# Allegro board 1140022-KU060_PCIE_FIBER_BOARD_V001_pcb166_20240120_1835_pcb.brd
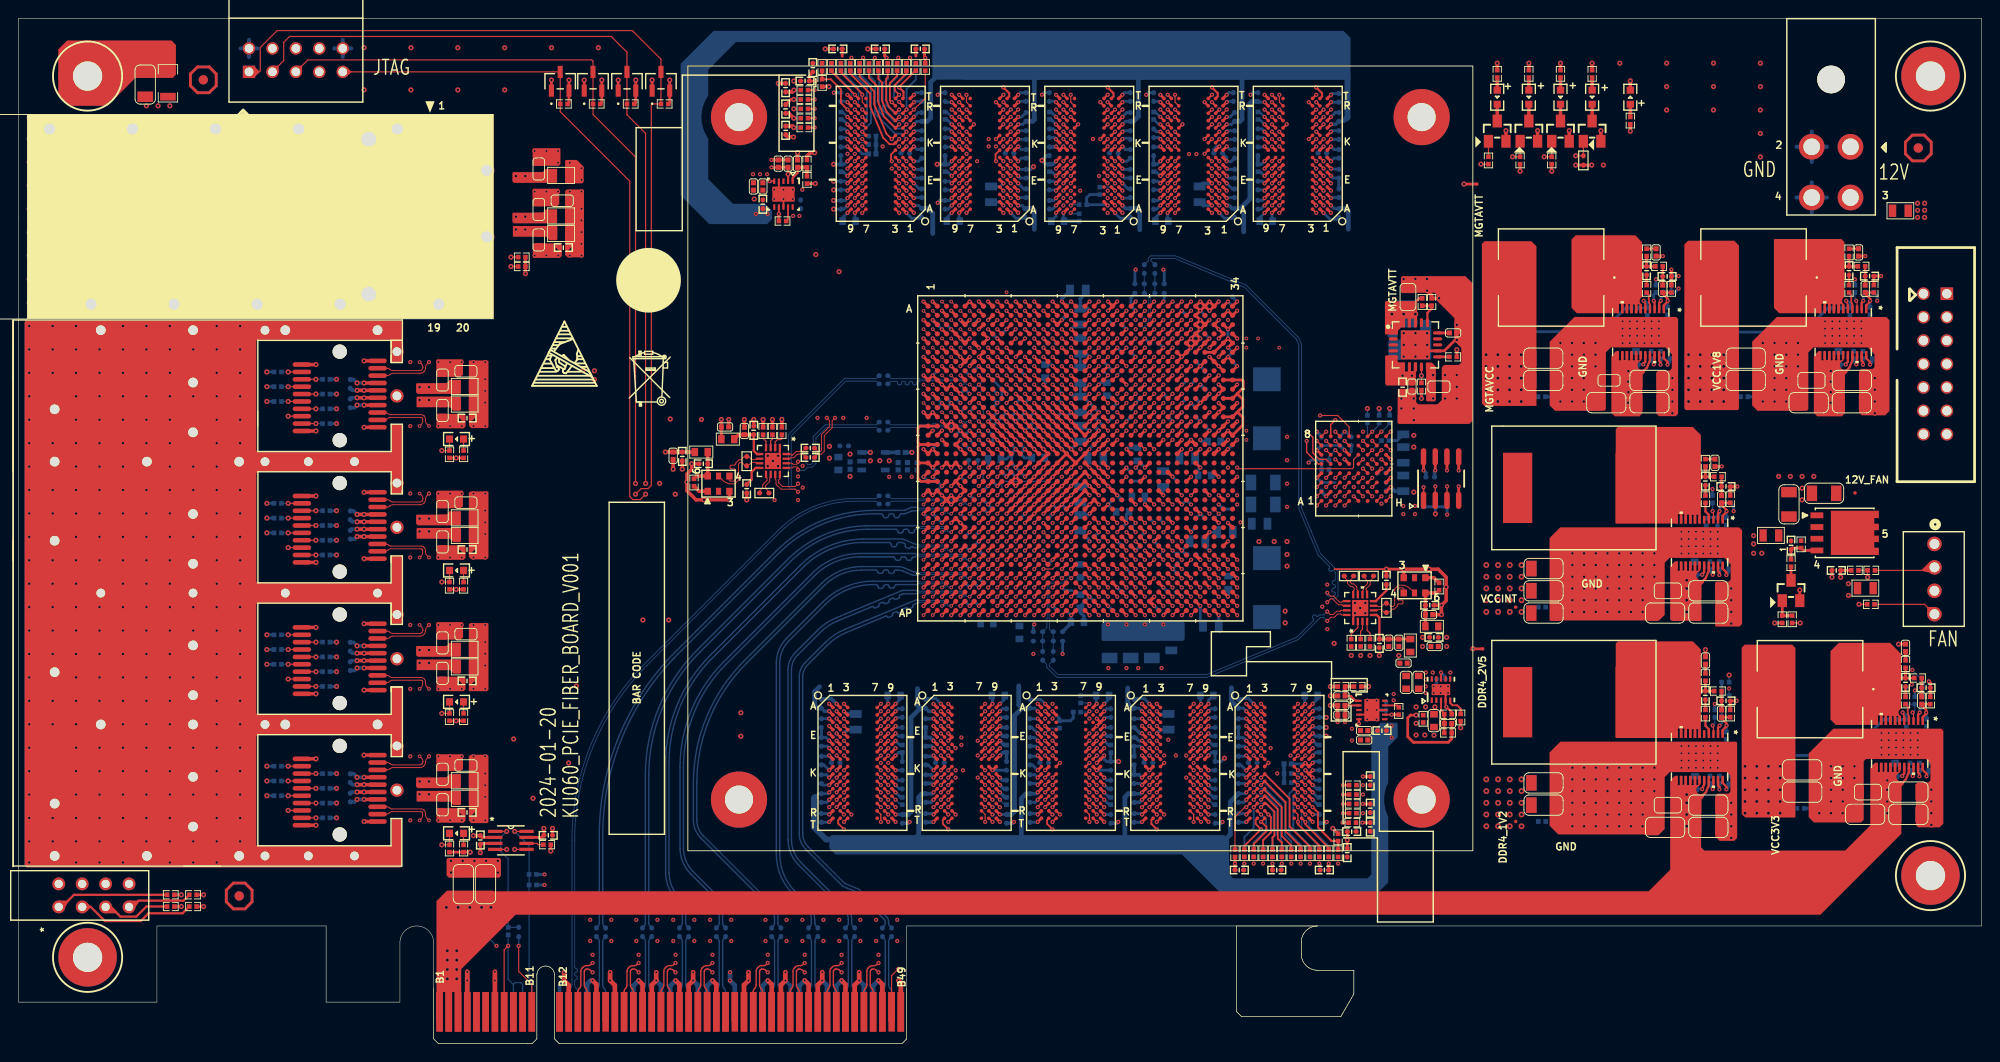
[diagram p0: board, top side]
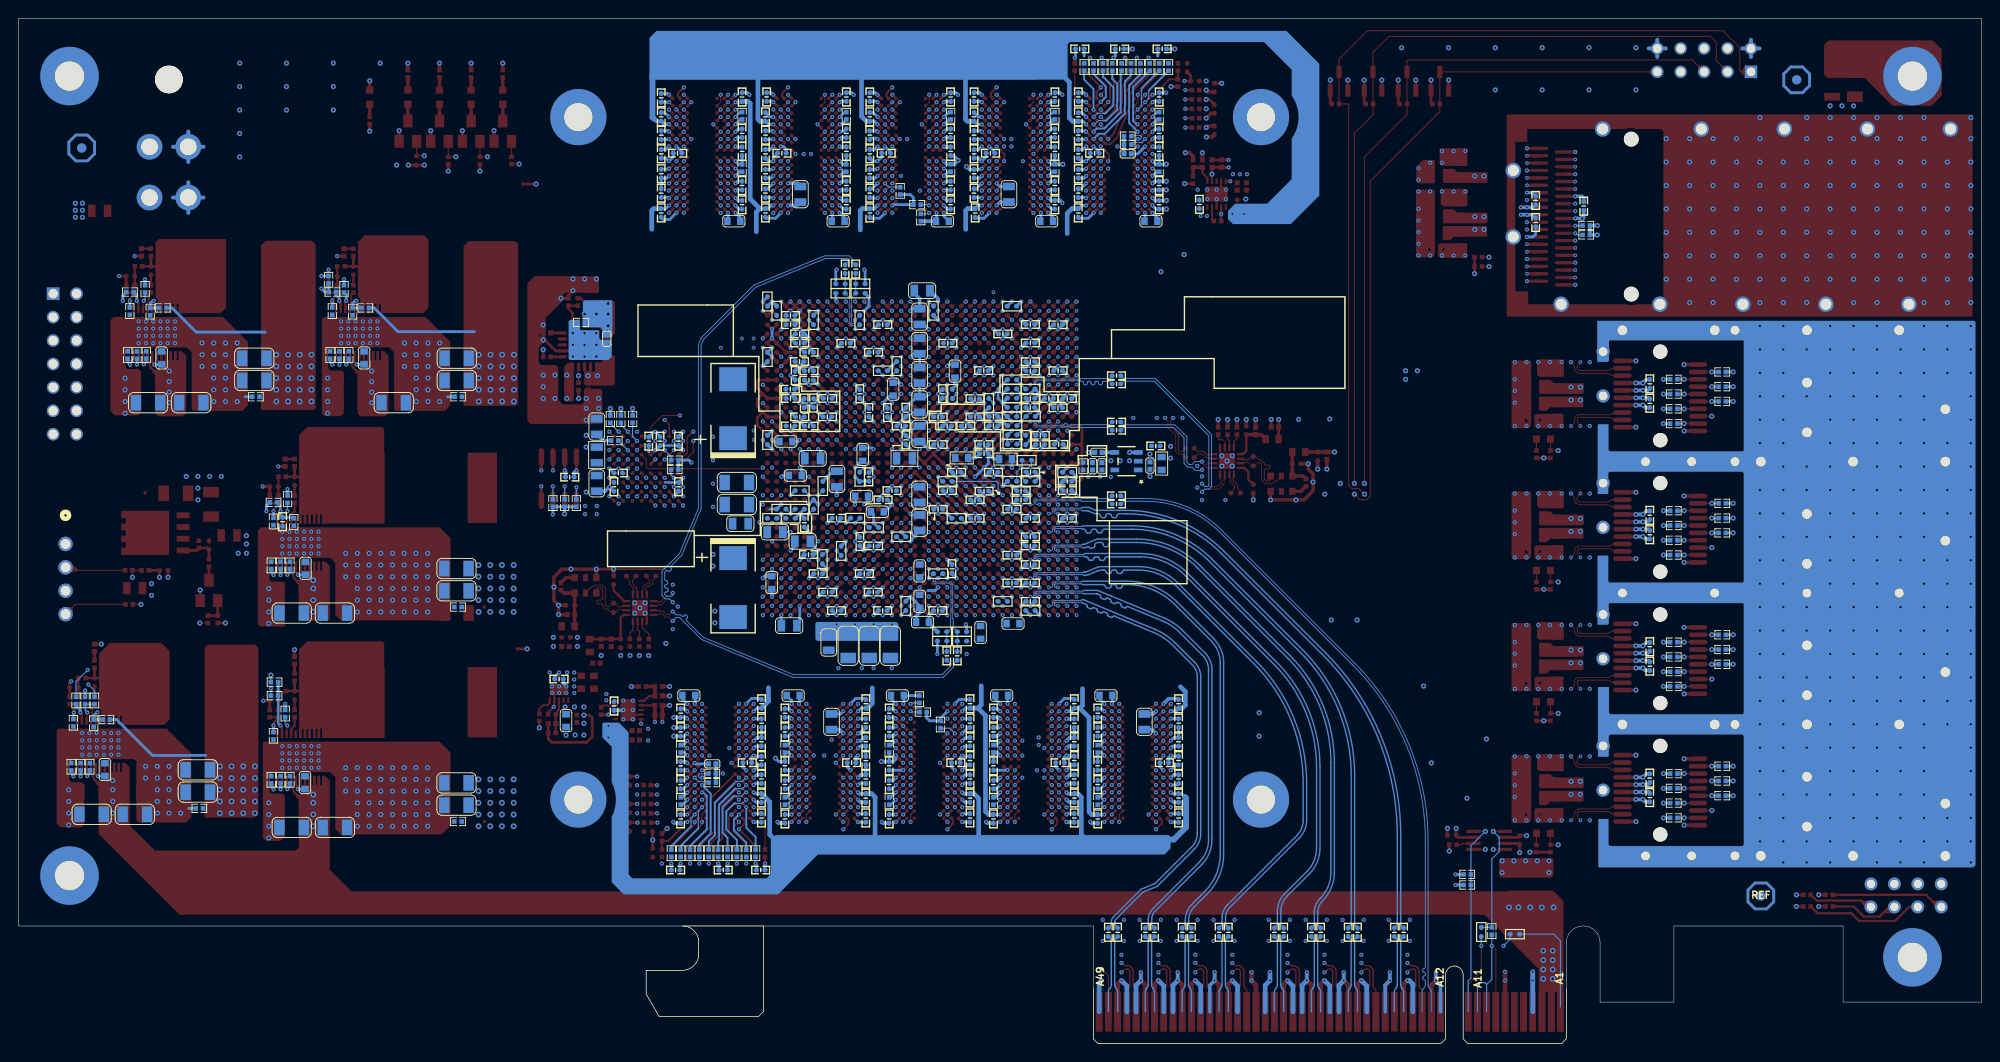
[diagram p1: board, bottom side, seen from below]

Outline 212.8 x 111.15 mm; copper layers: TOP, GND02, ART03, GND04, ART05, GND06, PWER07, PWER08, GND09, ART10, GND11, ART12, GND13, BOTTOM. Coordinates in mm from the lower left corner of the outline.
Outline path: 132.06,12.75 132.06,3.45 132.56,2.95 143.36,2.95 144.76,5.37 144.76,7.95 140.81,7.95 arc(139.57,8.46) 139.06,9.7 139.06,11 arc(139.57,12.23) 140.81,12.75 ; 132.06,12.75 140.81,12.75 arc(139.57,12.24) 139.06,11 139.06,9.7 arc(139.57,8.46) 140.81,7.95 144.76,7.95 144.76,5.38 143.36,2.95 132.56,2.95 132.06,3.45 132.06,12.75 ; 0,111.15 0,4.5 15.01,4.5 15.01,12.75 33.35,12.75 33.35,4.5 41.35,4.5 41.35,10.92 arc(43.18,12.75) 45.01,10.92 45.01,0.51 45.52,0 55.69,0 56.2,0.51 56.2,7.45 arc(57.15,8.41) 58.1,7.45 58.1,0.51 58.61,0 95.78,0 96.29,0.51 96.29,12.75 212.8,12.75 212.8,111.15 0,111.15

## Design rules (mm)
net group 36OHM: nets CHA_FPGA_DDR4_C1_ALERT CHA_FPGA_DDR4_C2_ALERT
net group CHA_AGND: nets CHA_AGND N23322804
net group CHA_BPI_FLASH_CLK: nets CHA_BPI_FLASH_CLK N238674911
net group CHA_BPI_FLASH_RST_B: nets CHA_BPI_FLASH_RST_B CHA_FPGA_INIT_B
net group CHA_BPI_FLASH_WAIT: nets CHA_BPI_FLASH_WAIT N24600214
net group CHA_FAN_FG: nets CHA_FAN_FG N26902768
net group CHA_FAN_PWM: nets CHA_FAN_PWM N26903299
net group CHA_FAN_PWREN: nets CHA_FAN_PWREN N28465657
net group CHA_FPGA_DDR4_C1_D3: nets CHA_FPGA_DDR4_C1_DQS3_N CHA_FPGA_DDR4_C1_DQS3_P
net group CHA_FPGA_DDR4_C1_D4: nets CHA_FPGA_DDR4_C1_DQS4_N CHA_FPGA_DDR4_C1_DQS4_P
net group CHA_FPGA_DDR4_C1_D8: nets CHA_FPGA_DDR4_C1_DQS8_N CHA_FPGA_DDR4_C1_DQS8_P
net group CHA_FPGA_DDR4_C2_D1: nets CHA_FPGA_DDR4_C2_DQS1_N CHA_FPGA_DDR4_C2_DQS1_P
net group CHA_FPGA_DDR4_C2_D3: nets CHA_FPGA_DDR4_C2_DQS3_N CHA_FPGA_DDR4_C2_DQS3_P
net group CHA_FPGA_DDR4_C2_D4: nets CHA_FPGA_DDR4_C2_DQS4_N CHA_FPGA_DDR4_C2_DQS4_P
net group CHA_FPGA_DDR4_C2_D6: nets CHA_FPGA_DDR4_C2_DQS6_N CHA_FPGA_DDR4_C2_DQS6_P
net group CHA_MGTAVCC_GOOD: nets CHA_MGTAVCC_GOOD CHA_MGTAVTT_EN
net group CHA_MGTAVTT_GOOD: nets CHA_MGTAVTT_GOOD N26632533
net group CHA_MGTH_227_CLK0_N: nets CHA_MGTH_227_CLK0_N N28542276
net group CHA_MGTH_227_CLK0_P: nets CHA_MGTH_227_CLK0_P N28542274
net group CHA_MGTH_228_CLK0_N: nets CHA_MGTH_228_CLK0_N N28541962
net group CHA_MGTH_228_CLK0_P: nets CHA_MGTH_228_CLK0_P N28541960
net group CHA_QSFP0_RX0_: nets CHA_QSFP0_RX0_N CHA_QSFP0_RX0_P
net group CHA_QSFP0_RX1_: nets CHA_QSFP0_RX1_N CHA_QSFP0_RX1_P
net group CHA_QSFP0_RX2_: nets CHA_QSFP0_RX2_N CHA_QSFP0_RX2_P
net group CHA_QSFP0_RX3_: nets CHA_QSFP0_RX3_N CHA_QSFP0_RX3_P
net group CHA_QSFP0_TX0_: nets CHA_QSFP0_TX0_N CHA_QSFP0_TX0_P
net group CHA_QSFP0_TX1_: nets CHA_QSFP0_TX1_N CHA_QSFP0_TX1_P
net group CHA_QSFP0_TX2_: nets CHA_QSFP0_TX2_N CHA_QSFP0_TX2_P
net group CHA_QSFP0_TX3_: nets CHA_QSFP0_TX3_N CHA_QSFP0_TX3_P
net group CHA_SFP+_0_RXD_: nets CHA_SFP+_0_RXD_N CHA_SFP+_0_RXD_P
net group CHA_SFP+_0_TXD_: nets CHA_SFP+_0_TXD_N CHA_SFP+_0_TXD_P
net group CHA_SFP+_1_RXD_: nets CHA_SFP+_1_RXD_N CHA_SFP+_1_RXD_P
net group CHA_SFP+_1_TXD_: nets CHA_SFP+_1_TXD_N CHA_SFP+_1_TXD_P
net group CHA_SFP+_2_RXD_: nets CHA_SFP+_2_RXD_N CHA_SFP+_2_RXD_P
net group CHA_SFP+_2_TXD_: nets CHA_SFP+_2_TXD_N CHA_SFP+_2_TXD_P
net group CHA_SFP+_3_RXD_: nets CHA_SFP+_3_RXD_N CHA_SFP+_3_RXD_P
net group CHA_SFP+_3_TXD_: nets CHA_SFP+_3_TXD_N CHA_SFP+_3_TXD_P
net group DDR4_200M_: nets DDR4_200M_N DDR4_200M_P
net group DIFFPAIR0: nets CHA_DDR4_CLK2_N_200M CHA_DDR4_CLK2_P_200M
net group DIFFPAIR1: nets CHA_FPGA_MASTER_CLOCK_N CHA_FPGA_MASTER_CLOCK_P
net group DIFFPAIR12: nets CHA_DDR4_CLK1_N_200M CHA_DDR4_CLK1_P_200M
net group DIFFPAIR16: nets N28686755 N28686768
net group DIFFPAIR17: nets N28686714 N28686727
net group DIFFPAIR18: nets N28686665 N28686668
net group DIFFPAIR19: nets 156_25M_N 156_25M_P
net group DP_N2454154: nets N24541544 N24541546
net group DP_N2454157: nets N24541572 N24541574
net group DP_N24657408: nets N24657408 N24657423
net group N24127214: nets N24127214 N24127447
net group N27389672: nets N27389672 N27389809
net group N28465581: nets N28465571 N28465581
net group PCIE_PRSNT_N: nets PCIE_PRSNT_N PCIE_WIDTH_X8
net group PCIE_REFCLK_N: nets N24547053 PCIE_REFCLK_N
net group PCIE_REFCLK_P: nets N24547051 PCIE_REFCLK_P
net group PCIE_RXD_0_: nets PCIE_RXD_0_N PCIE_RXD_0_P
net group PCIE_RXD_1_: nets PCIE_RXD_1_N PCIE_RXD_1_P
net group PCIE_RXD_2_: nets PCIE_RXD_2_N PCIE_RXD_2_P
net group PCIE_RXD_3_: nets PCIE_RXD_3_N PCIE_RXD_3_P
net group PCIE_RXD_4_: nets PCIE_RXD_4_N PCIE_RXD_4_P
net group PCIE_RXD_5_: nets PCIE_RXD_5_N PCIE_RXD_5_P
net group PCIE_RXD_6_: nets PCIE_RXD_6_N PCIE_RXD_6_P
net group PCIE_RXD_7_: nets PCIE_RXD_7_N PCIE_RXD_7_P
net group PCIE_TXD_0_N: nets N28472950 PCIE_TXD_0_N
net group PCIE_TXD_0_P: nets N28472948 PCIE_TXD_0_P
net group PCIE_TXD_1_N: nets N28472958 PCIE_TXD_1_N
net group PCIE_TXD_1_P: nets N28472956 PCIE_TXD_1_P
net group PCIE_TXD_2_N: nets N28472966 PCIE_TXD_2_N
net group PCIE_TXD_2_P: nets N28472964 PCIE_TXD_2_P
net group PCIE_TXD_3_N: nets N28472974 PCIE_TXD_3_N
net group PCIE_TXD_3_P: nets N28472972 PCIE_TXD_3_P
net group PCIE_TXD_4_N: nets N28472982 PCIE_TXD_4_N
net group PCIE_TXD_4_P: nets N28472980 PCIE_TXD_4_P
net group PCIE_TXD_5_N: nets N28472990 PCIE_TXD_5_N
net group PCIE_TXD_5_P: nets N28472988 PCIE_TXD_5_P
net group PCIE_TXD_6_N: nets N28472998 PCIE_TXD_6_N
net group PCIE_TXD_6_P: nets N28472996 PCIE_TXD_6_P
net group PCIE_TXD_7_N: nets N28473006 PCIE_TXD_7_N
net group PCIE_TXD_7_P: nets N28473004 PCIE_TXD_7_P
net group PCIE_WAKE_N: nets N28475155 PCIE_WAKE_N
net group VCC_1V8_EN: nets CHA_VCCINT_GOOD VCC_1V8_EN
net group CHA_FPGA_DDR4_C1_D0: nets CHA_FPGA_DDR4_C1_DQS0_N
net group CHA_FPGA_DDR4_C1_D2: nets CHA_FPGA_DDR4_C1_DQS2_N
net group CHA_MGTAVCC_EN: nets CHA_MGTAVCC_EN DDR4_1V2_EN DDR4_1V2_GOOD FPGA_VCCO_GOOD VCC_1V8_GOOD VCC_3V3_EN VCC_3V3_GOOD
net group CLK: nets CHA_FPGA_DDR4_C1_RESET CHA_FPGA_DDR4_C2_RESET CHA_FPGA_TCK CHA_QSFP0_I2C_SCL CHA_QSFP0_I2C_SDA CHA_QSFP0_RESETL CHA_SFP+_0_SCL CHA_SFP+_0_SDA CHA_SFP+_1_SCL CHA_SFP+_1_SDA CHA_SFP+_2_SCL CHA_SFP+_2_SDA CHA_SFP+_3_SCL CHA_SFP+_3_SDA CHA_TEMP_SCL CHA_TEMP_SDA PCIE_RST_N PCIE_RST_N_LS
net group N27394308: nets N27394308 N27394426 N244440853
net group N28499917: nets N28499917 N28500031 N285016953
net group N28500189: nets N28500189 N28500295 N285042511
net group POWER: nets CHA_ROVP VREG6 VREG_4

## Placement (name value [footprint] x y rotation side)
C1  0.47UF  [C0402_BGA]  108.14 64.95 180 bottom
C2  0.1UF  [C0402_BGA]  120.61 61.45 270 bottom
C3  0.1UF  [C0402_BGA]  108.14 63.95 180 bottom
C4  47uF  [C0805]  124.08 61.21 90 bottom
C5  22uF  [C0603]  119.7 57.66 0 bottom
C7  0.1UF  [C0402_BGA]  125.08 69.95 0 bottom
C8  22uF  [C0603]  108.51 44.58 270 bottom
C9  22uF  [C0603]  104.99 45.54 180 bottom
C10  4.7UF  [C0402_BGA]  105.11 49.94 180 bottom
C11  0.47UF  [C0402_BGA]  105.11 52.95 180 bottom
C12  47uF  [C0805]  130.8 55.46 0 bottom
C13  22uF  [C0603]  121.4 59.33 0 bottom
C14  4.7UF  [C0402_BGA]  120.61 68.42 270 bottom
C15  0.47UF  [C0402_BGA]  118.61 68.42 90 bottom
C18  0.1UF  [C0402_BGA]  147.77 61.86 0 bottom
C19  0.1UF  [C0402_BGA]  148.25 60.37 270 bottom
C20  0.1UF  [C0402_BGA]  143.25 65.31 90 bottom
C21  0.1UF  [C0402_BGA]  144.48 65.31 90 bottom
C22  0.1UF  [C0402_BGA]  141.25 65.31 90 bottom
C23  0.1UF  [C0402_BGA]  141.25 60.37 270 bottom
C24  22uF  [C0603]  128.59 61.59 180 bottom
C25  22uF  [C0603]  129.61 65.28 0 bottom
C26  0.47UF  [C0402_BGA]  121.6 70.45 90 bottom
C27  4.7UF  [C0402_BGA]  127.61 56.48 270 bottom
C28  47uF  [C0805]  126.71 63.45 0 bottom
C29  22uF  [C0603]  121.28 63.88 90 bottom
C30  4.7UF  [C0402_BGA]  124.13 56.97 180 bottom
C31  0.47UF  [C0402_BGA]  125.11 67.95 0 bottom
C32  22uF  [C0603]  117.98 70.95 270 bottom
C33  4.7UF  [C0402_BGA]  112.64 70.46 270 bottom
C34  4.7UF  [C0402_BGA]  119.11 77.95 0 bottom
C35  22uF  [C0603]  111.28 72.91 270 bottom
C36  4.7UF  [C0402_BGA]  113.14 46.95 180 bottom
C37  4.7UF  [C0402_BGA]  112.05 75.94 0 bottom
C38  47uF  [C0805]  115.11 78.82 90 bottom
C39  47uF  [C0805]  115.11 72.47 270 bottom
C40  0.47UF  [C0402_BGA]  121.59 54.44 270 bottom
C41  0.47UF  [C0402_BGA]  125.08 48.95 0 bottom
C42  22uF  [C0603]  114.8 45.69 0 bottom
C43  4.7UF  [C0402_BGA]  124.11 46.95 180 bottom
C44  4.7UF  [C0402_BGA]  126.11 50.95 180 bottom
C45  47uF  [C0805]  115.11 75.64 90 bottom
C46  0.47UF  [C0402_BGA]  120.11 53.95 0 bottom
C47  4.7UF  [C0402_BGA]  108.17 72.97 180 bottom
C48  0.47UF  [C0402_BGA]  120.14 48.95 180 bottom
C49  22uF  [C0603]  115.11 51.25 90 bottom
C50  47uF  [C0805]  127.8 54.46 0 bottom
C51  4.7UF  [C0402_BGA]  111.61 51.48 270 bottom
C52  0.47UF  [C0402_BGA]  119.11 46.95 0 bottom
C53  47uF  [C0805]  114.85 81.64 0 bottom
C54  22uF  [C0603]  131.15 49.98 90 bottom
C55  4.7UF  [C0402_BGA]  123.11 75.93 0 bottom
C56  4.7UF  [C0402_BGA]  120.11 74.95 0 bottom
C57  22uF  [C0603]  115.11 47.96 270 bottom
C58  4.7UF  [C0402_BGA]  106.09 76.94 180 bottom
C59  4.7UF  [C0402_BGA]  127.15 53.03 0 bottom
C60  0.47UF  [C0402_BGA]  121.11 50.95 0 bottom
C61  47uF  [C0805]  129.26 45.31 0 bottom
C70  0.1UF  [C0402_BGA]  93.77 59.39 180 bottom
C72  0.1UF  [C0402_BGA]  93.77 58.5 180 bottom
C78  0.1UF  [C0402_BGA]  93.77 66.5 180 bottom
C79  0.1UF  [C0402_BGA]  93.77 67.39 180 bottom
C80  0.1UF  [C0402_BGA]  93.77 72.42 180 bottom
C81  0.1UF  [C0402_BGA]  93.77 71.53 180 bottom
C92  470uF  [CT7343]  135.33 68.83 90 bottom
C93  470uF  [CT7343]  135.33 49.44 270 bottom
C94  100UF  [C1206]  120.57 43.13 270 bottom
C95  100UF  [C1206]  134.92 60.83 180 bottom
C96  100UF  [C1206]  122.86 43.13 270 bottom
C97  100UF  [C1206]  118.28 43.13 270 bottom
C98  100UF  [C1206]  134.92 58.45 180 bottom
C99  47uF  [C0805]  115.11 56.47 90 bottom
C100  47uF  [C0805]  124.97 43.48 270 bottom
C101  47uF  [C0805]  134.54 56.36 180 bottom
C102  47uF  [C0805]  115.11 66.12 270 bottom
C103  4.7UF  [C0402_BGA]  109.11 56.95 0 bottom
C104  4.7UF  [C0402_BGA]  113.11 64.95 0 bottom
C105  4.7UF  [C0402_BGA]  108.12 59.9 0 bottom
C106  4.7UF  [C0402_BGA]  113.11 67.95 0 bottom
C107  4.7UF  [C0402_BGA]  112.14 66.95 180 bottom
C108  4.7UF  [C0402_BGA]  107.11 67.99 0 bottom
C109  4.7UF  [C0402_BGA]  107.11 61.95 0 bottom
C110  4.7UF  [C0402_BGA]  113.11 57.93 0 bottom
C111  0.47UF  [C0402_BGA]  109.11 58.95 0 bottom
C112  0.47UF  [C0402_BGA]  116.61 65.45 90 bottom
C113  0.47UF  [C0402_BGA]  107.11 66.98 0 bottom
C114  0.47UF  [C0402_BGA]  109.11 67.95 0 bottom
C115  0.47UF  [C0402_BGA]  109.11 69.93 0 bottom
C116  0.47UF  [C0402_BGA]  110.11 66.96 0 bottom
C117  0.47UF  [C0402_BGA]  112.11 59.95 0 bottom
C118  0.47UF  [C0402_BGA]  111.11 61.95 180 bottom
C119  47uF  [C0805]  115.11 69.29 90 bottom
C120  47uF  [C0805]  115.11 59.51 90 bottom
C121  4.7UF  [C0402_BGA]  117.11 66.95 180 bottom
C122  4.7UF  [C0402_BGA]  116.61 68.45 90 bottom
C123  4.7UF  [C0402_BGA]  105.11 57.95 0 bottom
C124  4.7UF  [C0402_BGA]  118.11 59.95 0 bottom
C125  4.7UF  [C0402_BGA]  129.11 77.95 180 bottom
C126  4.7UF  [C0402_BGA]  129.11 66.97 180 bottom
C127  4.7UF  [C0402_BGA]  129.14 70.95 180 bottom
C128  4.7UF  [C0402_BGA]  128.14 73.95 180 bottom
C129  4.7UF  [C0402_BGA]  100.11 68.94 0 bottom
C130  4.7UF  [C0402_BGA]  100.11 77.94 0 bottom
C131  4.7UF  [C0402_BGA]  100.11 72.96 180 bottom
C132  0.22UF  [C0402_BGA]  129.11 78.95 0 bottom
C133  0.22UF  [C0402_BGA]  100.03 64.97 0 bottom
C134  0.22UF  [C0402_BGA]  129.11 69.95 0 bottom
C135  0.22UF  [C0402_BGA]  99.11 60.96 0 bottom
C136  0.22UF  [C0402_BGA]  99.11 59.96 0 bottom
C137  0.22UF  [C0402_BGA]  99.11 69.94 0 bottom
C138  0.22UF  [C0402_BGA]  99.11 56.96 0 bottom
C139  4.7UF  [C0402_BGA]  127.62 69.45 90 bottom
C140  4.7UF  [C0402_BGA]  127.11 71.92 180 bottom
C141  4.7UF  [C0402_BGA]  126.62 69.45 90 bottom
C142  4.7UF  [C0402_BGA]  104.11 59.95 0 bottom
C143  4.7UF  [C0402_BGA]  101.11 69.94 180 bottom
C144  4.7UF  [C0402_BGA]  104.11 58.95 0 bottom
C145  4.7UF  [C0402_BGA]  102.03 65.95 180 bottom
C146  4.7UF  [C0402_BGA]  127.11 74.95 180 bottom
C147  4.7UF  [C0402_BGA]  128.11 75.95 180 bottom
C148  4.7UF  [C0402_BGA]  127.11 72.95 0 bottom
C149  4.7UF  [C0402_BGA]  103.11 47.94 0 bottom
C150  4.7UF  [C0402_BGA]  128.61 72.42 90 bottom
C151  4.7UF  [C0402_BGA]  103.11 72.94 0 bottom
C152  4.7UF  [C0402_BGA]  103.11 49.94 0 bottom
C153  0.47UF  [C0402_BGA]  103.11 56.95 180 bottom
C154  0.47UF  [C0402_BGA]  103.11 54.95 0 bottom
C155  0.47UF  [C0402_BGA]  127.11 66.95 0 bottom
C156  0.47UF  [C0402_BGA]  103.11 75.96 180 bottom
C157  0.47UF  [C0402_BGA]  102.03 64.95 180 bottom
C158  0.47UF  [C0402_BGA]  128.11 67.95 180 bottom
C159  0.47UF  [C0402_BGA]  103.11 53.95 0 bottom
C160  0.22UF  [C0402_BGA]  103.11 51.94 180 bottom
C161  0.22UF  [C0402_BGA]  103.11 77.97 0 bottom
C162  0.22UF  [C0402_BGA]  128.11 76.95 0 bottom
C163  0.22UF  [C0402_BGA]  103.11 73.94 0 bottom
C164  0.22UF  [C0402_BGA]  103.11 69.97 0 bottom
C165  0.22UF  [C0402_BGA]  103.11 68.97 0 bottom
C166  0.22UF  [C0402_BGA]  103.08 61.98 0 bottom
C167  4.7UF  [C0402_BGA]  118.41 24.36 270 bottom
C168  0.1UF  [C0402_BGA]  132.25 36.84 90 bottom
C169  47uF  [C0805]  124.66 34.89 270 bottom
C170  22uF  [C0603]  94.92 37.73 180 bottom
C171  4.7UF  [C0402_BGA]  87.04 34.75 270 bottom
C172  4.7UF  [C0402_BGA]  95.8 30.11 90 bottom
C173  0.47UF  [C0402_BGA]  95.8 28.08 90 bottom
C174  0.47UF  [C0402_BGA]  95.81 33.8 270 bottom
C175  0.47UF  [C0402_BGA]  87.04 28.68 90 bottom
C176  0.47UF  [C0402_BGA]  87.04 24.47 270 bottom
C177  68nF  [C0402_BGA]  87.04 32.71 90 bottom
C178  68nF  [C0402_BGA]  95.81 35.83 270 bottom
C179  68nF  [C0402_BGA]  88.58 30.45 180 bottom
C180  68nF  [C0402_BGA]  87.04 30.68 90 bottom
C181  0.1UF  [C0402_BGA]  120.95 26.62 270 bottom
C182  22uF  [C0603]  106.22 37.73 180 bottom
C183  4.7UF  [C0402_BGA]  107.11 33.8 270 bottom
C184  4.7UF  [C0402_BGA]  107.11 28.08 90 bottom
C185  0.47UF  [C0402_BGA]  107.11 30.11 90 bottom
C186  0.47UF  [C0402_BGA]  99.89 30.45 180 bottom
C187  0.47UF  [C0402_BGA]  107.11 35.83 270 bottom
C188  0.47UF  [C0402_BGA]  98.34 30.68 90 bottom
C189  68nF  [C0402_BGA]  98.34 34.75 270 bottom
C190  68nF  [C0402_BGA]  98.34 32.71 90 bottom
C191  68nF  [C0402_BGA]  98.34 28.68 90 bottom
C192  68nF  [C0402_BGA]  98.35 24.47 270 bottom
C193  4.7UF  [C0402_BGA]  111.75 102.63 90 bottom
C194  0.1UF  [C0402_BGA]  107.11 24.36 270 bottom
C195  0.1UF  [C0402_BGA]  109.65 26.62 270 bottom
C196  22uF  [C0603]  128.82 37.73 180 bottom
C197  4.7UF  [C0402_BGA]  129.72 33.8 270 bottom
C198  4.7UF  [C0402_BGA]  120.95 32.71 90 bottom
C199  0.47UF  [C0402_BGA]  120.95 30.68 270 bottom
C200  0.47UF  [C0402_BGA]  120.95 24.47 270 bottom
C201  0.47UF  [C0402_BGA]  120.95 28.68 90 bottom
C202  0.47UF  [C0402_BGA]  120.95 34.75 270 bottom
C203  68nF  [C0402_BGA]  129.71 30.11 90 bottom
C204  68nF  [C0402_BGA]  129.71 28.08 90 bottom
C205  68nF  [C0402_BGA]  129.72 35.83 270 bottom
C206  68nF  [C0402_BGA]  122.49 30.45 180 bottom
C207  4.7UF  [C0402_BGA]  95.81 24.36 270 bottom
C208  0.1UF  [C0402_BGA]  131.82 90.06 270 bottom
C209  4.7UF  [C0402_BGA]  89.15 102.63 90 bottom
C210  0.1UF  [C0402_BGA]  120.52 90.06 270 bottom
C211  0.1UF  [C0402_BGA]  147.81 33.93 180 top
C212  0.1UF  [C0402_BGA]  132.26 26.62 270 bottom
C213  47uF  [C0805]  90.75 34.89 270 bottom
C214  22uF  [C0603]  140.13 37.73 180 bottom
C215  4.7UF  [C0402_BGA]  132.25 32.71 90 bottom
C216  4.7UF  [C0402_BGA]  141.02 35.83 270 bottom
C217  0.47UF  [C0402_BGA]  132.25 30.68 90 bottom
C218  0.47UF  [C0402_BGA]  132.25 34.75 270 bottom
C219  0.47UF  [C0402_BGA]  141.02 33.8 270 bottom
C220  0.47UF  [C0402_BGA]  132.25 28.68 90 bottom
C221  68nF  [C0402_BGA]  132.26 24.47 270 bottom
C222  68nF  [C0402_BGA]  141.02 28.08 90 bottom
C223  68nF  [C0402_BGA]  141.02 30.11 270 bottom
C224  68nF  [C0402_BGA]  133.79 30.45 180 bottom
C225  22uF  [C0603]  117.52 37.73 180 bottom
C226  4.7UF  [C0402_BGA]  109.64 28.68 90 bottom
C227  4.7UF  [C0402_BGA]  118.41 28.08 90 bottom
C228  0.47UF  [C0402_BGA]  118.41 30.11 90 bottom
C229  0.47UF  [C0402_BGA]  109.65 24.47 270 bottom
C230  0.47UF  [C0402_BGA]  109.64 34.75 270 bottom
C231  0.47UF  [C0402_BGA]  109.64 32.71 90 bottom
C232  68nF  [C0402_BGA]  109.64 30.68 90 bottom
C233  68nF  [C0402_BGA]  111.19 30.45 180 bottom
C234  68nF  [C0402_BGA]  118.41 33.8 270 bottom
C235  68nF  [C0402_BGA]  118.41 35.83 270 bottom
C236  4.7UF  [C0402_BGA]  144.53 22.99 180 top
C237  4.7UF  [C0402_BGA]  136.41 18.81 180 top
C238  4.7UF  [C0402_BGA]  132.34 18.81 180 bottom
C239  4.7UF  [C0402_BGA]  144.04 20.7 90 top
C240  0.1UF  [C0402_BGA]  146.53 28.49 90 top
C241  4.7UF  [C0402_BGA]  84.79 91 270 bottom
C242  0.1UF  [C0402_BGA]  146.53 23.48 90 top
C243  1000PF  [C0402]  143.4 37.7 0 top
C244  0.1UF  [C0402_BGA]  146.53 25.52 90 top
C245  0.1UF  [C0402_BGA]  141.56 18.81 0 bottom
C246  0.1UF  [C0402_BGA]  141.56 18.81 0 top
C247  0.1UF  [C0402_BGA]  132.34 18.81 180 top
C248  0.1UF  [C0402_BGA]  136.41 18.81 180 bottom
C249  10uF  [C0402]  145.88 33.93 0 top
C250  10uF  [C0402]  145.88 32.92 0 top
C251  10uF  [C0402]  82.37 95.41 90 top
C252  10uF  [C0402]  83.43 95.41 90 top
C253  4.7UF  [C0402_BGA]  100.45 102.63 90 bottom
C254  0.1UF  [C0402_BGA]  87.04 36.84 90 bottom
C255  0.1UF  [C0402_BGA]  98.35 26.62 270 bottom
C256  0.1UF  [C0402_BGA]  87.04 26.62 270 bottom
C257  10nF  [C0402]  137.59 30.33 0 bottom
C258  4.7UF  [C0402_BGA]  98.34 36.84 90 bottom
C259  0.1UF  [C0402_BGA]  120.95 36.84 90 bottom
C260  47uF  [C0805]  128.04 92.09 90 bottom
C261  22uF  [C0603]  123.95 89.17 0 bottom
C262  4.7UF  [C0402_BGA]  131.82 98.51 270 bottom
C263  4.7UF  [C0402_BGA]  130.04 96.54 0 bottom
C264  0.47UF  [C0402_BGA]  123.06 93.03 90 bottom
C265  0.47UF  [C0402_BGA]  131.82 96.47 270 bottom
C266  0.47UF  [C0402_BGA]  131.69 102.63 90 bottom
C267  0.47UF  [C0402_BGA]  123.06 98.7 270 bottom
C268  68nF  [C0402_BGA]  131.82 92.2 90 bottom
C269  68nF  [C0402_BGA]  123.06 90.95 90 bottom
C270  68nF  [C0402_BGA]  131.82 94.32 270 bottom
C271  68nF  [C0402_BGA]  123.06 96.74 270 bottom
C272  0.1UF  [C0402_BGA]  109.21 100.47 90 bottom
C273  22uF  [C0603]  135.25 89.17 0 bottom
C274  4.7UF  [C0402_BGA]  134.36 90.95 90 bottom
C275  4.7UF  [C0402_BGA]  134.36 93.03 90 bottom
C276  0.47UF  [C0402_BGA]  143.13 92.2 90 bottom
C277  0.47UF  [C0402_BGA]  143.13 98.51 270 bottom
C278  0.47UF  [C0402_BGA]  143.13 96.47 270 bottom
C279  0.47UF  [C0402_BGA]  141.34 96.54 0 bottom
C280  68nF  [C0402_BGA]  143.13 94.32 270 bottom
C281  68nF  [C0402_BGA]  134.36 98.7 270 bottom
C282  68nF  [C0402_BGA]  134.36 96.74 270 bottom
C283  68nF  [C0402_BGA]  143.12 102.54 90 bottom
C284  4.7UF  [C0402_BGA]  123.06 102.63 90 bottom
C285  0.1UF  [C0402_BGA]  97.91 90.06 270 bottom
C286  0.1UF  [C0402_BGA]  97.91 100.47 90 bottom
C287  22uF  [C0603]  90.04 89.17 0 bottom
C288  4.7UF  [C0402_BGA]  97.91 96.47 270 bottom
C289  4.7UF  [C0402_BGA]  97.91 92.2 90 bottom
C290  0.47UF  [C0402_BGA]  89.15 98.7 270 bottom
C291  0.47UF  [C0402_BGA]  97.91 94.32 270 bottom
C292  0.47UF  [C0402_BGA]  97.91 102.63 90 bottom
C293  0.47UF  [C0402_BGA]  96.13 96.54 0 bottom
C294  68nF  [C0402_BGA]  97.91 98.51 270 bottom
C295  68nF  [C0402_BGA]  89.15 96.74 270 bottom
C296  68nF  [C0402_BGA]  89.15 90.95 90 bottom
C297  68nF  [C0402_BGA]  89.15 93.03 90 bottom
C298  4.7UF  [C0402_BGA]  134.36 102.63 90 bottom
C299  0.1UF  [C0402_BGA]  109.09 90.06 270 bottom
C300  4.7UF  [C0402_BGA]  129.72 24.36 270 bottom
C301  0.1UF  [C0402_BGA]  109.64 36.84 90 bottom
C302  0.1UF  [C0402_BGA]  120.52 100.47 90 bottom
C303  0.1UF  [C0402_BGA]  80.69 91 90 top
C304  47uF  [C0805]  105.44 92.09 90 bottom
C305  22uF  [C0603]  101.34 89.17 0 bottom
C306  4.7UF  [C0402_BGA]  109.22 94.32 270 bottom
C307  4.7UF  [C0402_BGA]  109.22 92.2 90 bottom
C308  0.47UF  [C0402_BGA]  100.45 93.03 90 bottom
C309  0.47UF  [C0402_BGA]  100.45 90.95 90 bottom
C310  0.47UF  [C0402_BGA]  100.45 98.7 270 bottom
C311  0.47UF  [C0402_BGA]  109.22 98.51 270 bottom
C312  68nF  [C0402_BGA]  109.21 102.63 90 bottom
C313  68nF  [C0402_BGA]  107.43 96.54 0 bottom
C314  68nF  [C0402_BGA]  109.22 96.47 270 bottom
C315  68nF  [C0402_BGA]  100.45 96.74 270 bottom
C316  22uF  [C0603]  112.64 89.17 0 bottom
C317  4.7UF  [C0402_BGA]  118.74 96.54 0 bottom
C318  4.7UF  [C0402_BGA]  120.52 96.47 270 bottom
C319  0.47UF  [C0402_BGA]  111.76 96.74 270 bottom
C320  0.47UF  [C0402_BGA]  111.76 98.7 270 bottom
C321  0.47UF  [C0402_BGA]  120.52 94.32 270 bottom
C322  0.47UF  [C0402_BGA]  120.52 92.2 90 bottom
C323  68nF  [C0402_BGA]  111.75 90.95 90 bottom
C324  68nF  [C0402_BGA]  111.75 93.03 90 bottom
C325  68nF  [C0402_BGA]  120.52 98.51 270 bottom
C326  68nF  [C0402_BGA]  120.52 102.63 90 bottom